# EAGLE board Rear_Board_v74 (EAGLE 9.7.0), part 2 of 2
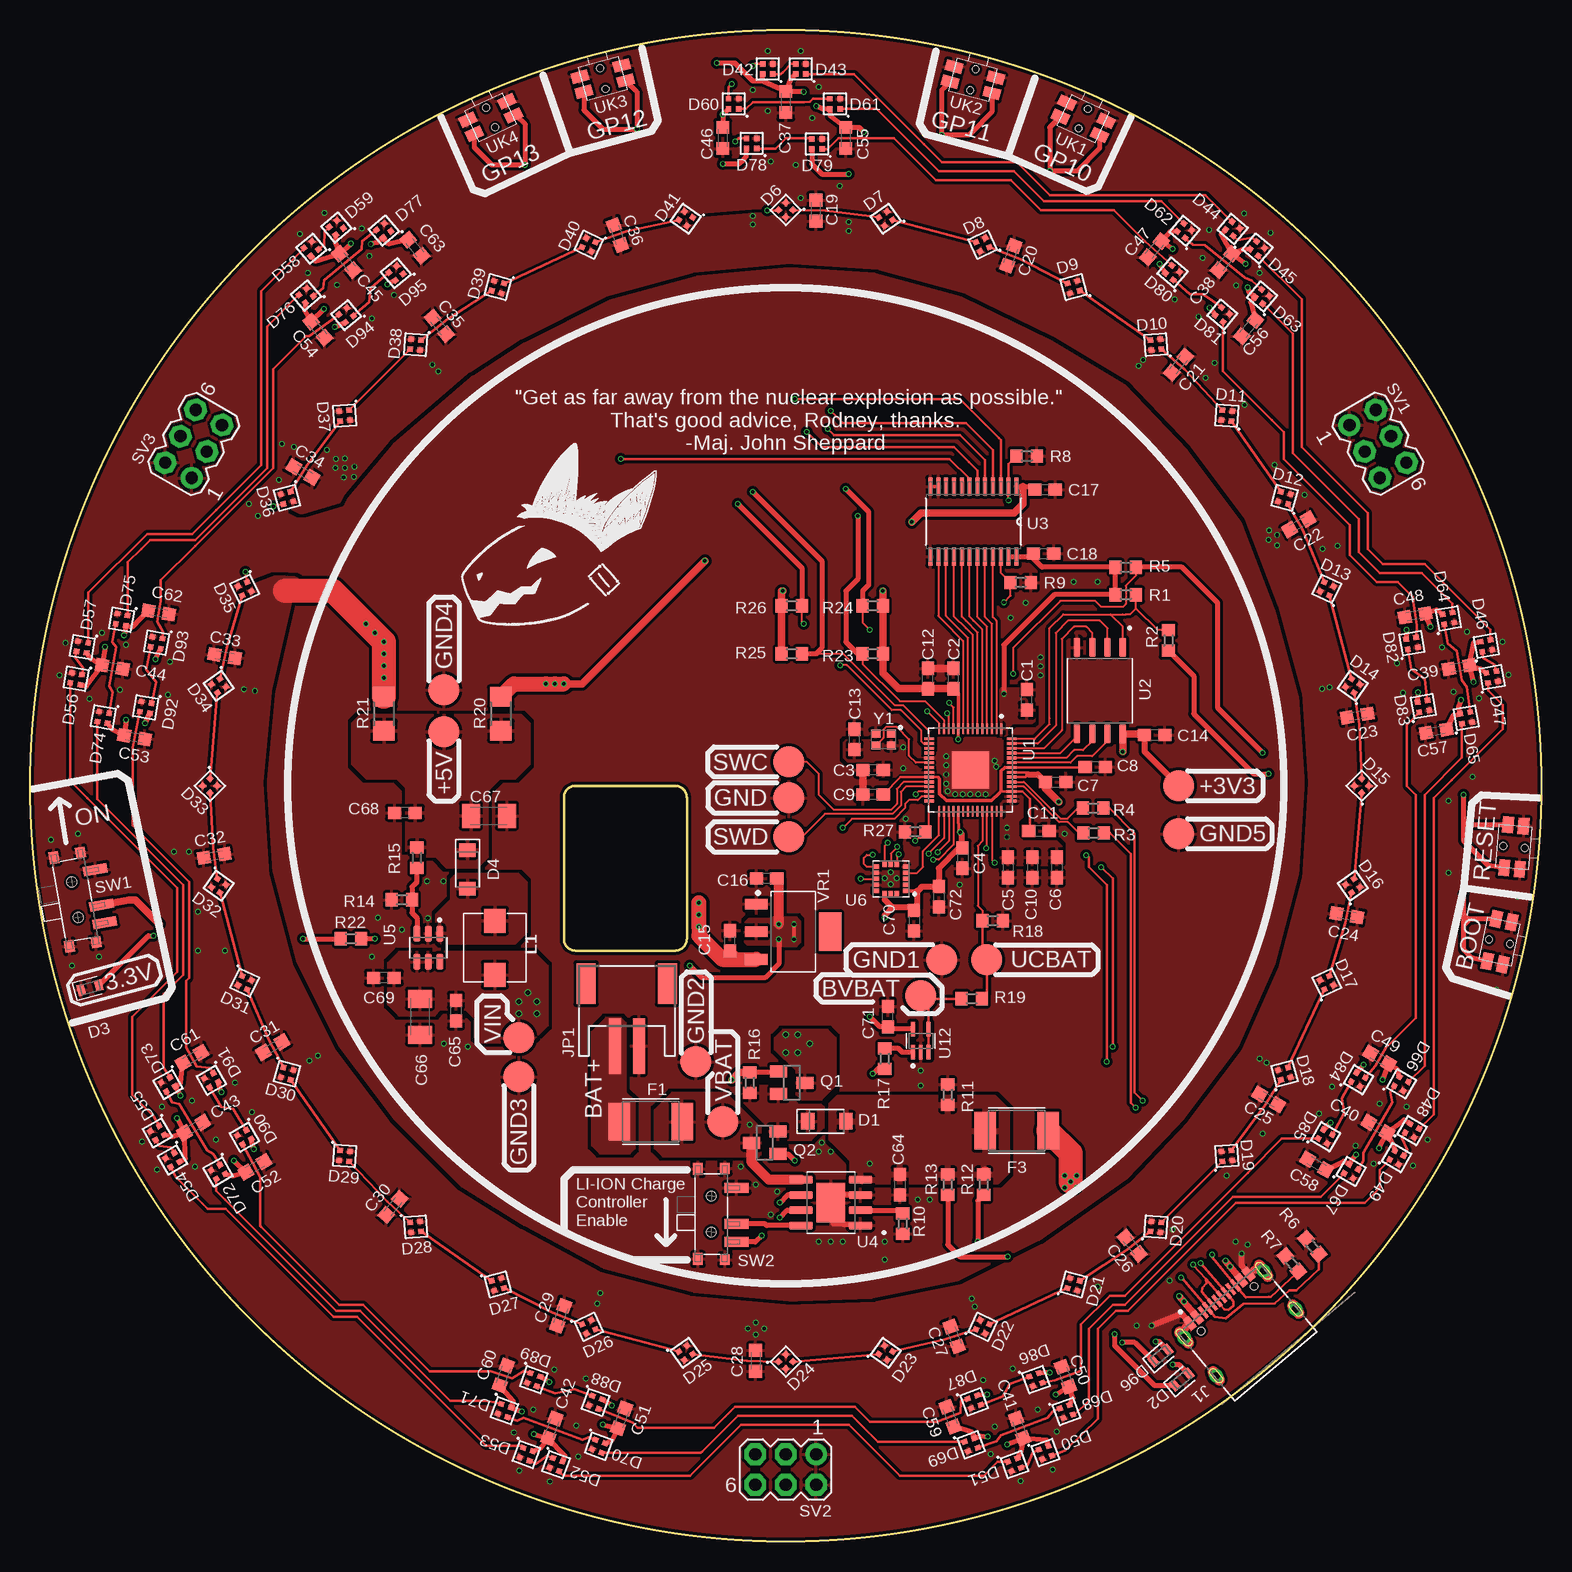
[diagram p0: board, top side]
## Tracks (layer width: path | path; a pad name or v marks a point on that pad's centre or on a via)
+1V1
  Top 0.203: C8.1 87.9,64.52 U1.50 81.26,64.52 | C9.1 72.56,63.72 U1.23 75.69,63.72 75.72,63.68 | C11.1 83.34,59.33 83.34,61.91 82.73,62.52 U1.45 80.91,62.52 80.8,62.41
  Top 0.305: 75.72,63.68 75.83,63.58 75.83,62.31 76.38,61.76 80.15,61.76 80.8,62.41 80.95,62.56 80.95,64.22 81.26,64.52
+3.3V  (via drill 0.3)
  Top 0.203: U1.49 83.04,64.12 83.22,63.94 83,63.72 U1.48 | 77.64,57.92 C4.1 | 77.39,70.69 C2.1 | U1.44 U1.43 | v77.38,66.86 77.39,66.88
  Top 0.254: U1.33 77.39,59.87 77.39,59.12 v77.55,59.12 | 77.39,66.88 U1.10
  Top 0.305: U1.10 77.39,70.69 | C4.1 77.45,57.82 | U6.1 73.95,54.25 74,54.25 | 74.25,54.5 74.35,54.6 | 73.45,52.85 C70.1 73.95,52.85 | U6.14 71.25,53.5 | v63.69,51.47 v63.69,50.22
  Top 0.406: v81.19,70.67 81.19,74.73 85.38,78.92 R1.2 R5.2 84.36,81.21 83.64,81.93 C18.1 83.38,82.1 U3.24 U3.23 | v62.42,50.2 62.42,48.17 61.25,47 56,47 v55,48 | v28.75,50.25 R22.2
  Top 0.508: v77.55,59.12 77.64,59.03 77.64,57.92 | 83.22,63.94 84.02,63.94 C7.1 | 77.45,57.82 75.75,56.12 C72.1 74.35,54.6 | 74.25,54.5 74,54.25 | 71.25,53.5 71.9,52.85 | 73.45,52.85 71.9,52.85 | 73.95,54.25 73.95,52.85 | 71.9,52.85 71.25,52.2 v71.25,52 | C14.1 92.91,65.84 +3V3.TP
  Top 0.61: C2.1 C12.1 72.41,71.09 71.25,72.25 71.1,72.4 R23.2 v71.1,79.25 R24.2 | C14.1 92.83,67.32 U2.8 v91.09,65.84 | C7.1 84.65,62.76 v85.76,61.65 | R25.2 62.65,76 | 62.65,76 62.65,79.25 v62.75,79.25 | 62.65,76 R26.2
  Top 0.813: C16.1 62.42,55.11 v62.42,51.47
  Bottom 0.305: 77.5,66.99 v77.38,66.86
  Bottom 0.406: v55,48 31,48 v28.75,50.25
  Bottom 0.61: 89.95,61.4 91.09,62.54 v91.09,65.84 | v81.19,70.67 81.19,67.24 80.55,66.61 | v81.44,59.49 81.07,59.12 v77.55,59.12 | v71.1,79.25 v62.75,79.25
  other vias: 72.8,66.22 81.44,58.73 72.8,64.45
  pour Top (isolate 0.152): 81.26,61.89 81.25,61.86 80.88,61.49 80.88,56.98 81.47,56.39 86.02,56.39 86.02,57.93 85.6,58.35 82.84,58.35 82.82,58.36 82.39,58.78 82.38,58.81 82.38,60.02 82.39,60.04 82.76,60.41 82.76,62 82.42,62.34 81.34,62.34 81.26,62.26
  pour Top (rank 2): 83.58,69.98 83.32,69.98 83.04,70.27 83.04,70.77 82.69,71.13 80.95,71.13 80.73,70.9 80.73,67.26 80.83,67.16 81.42,67.16 81.52,67.26 81.52,67.77 81.93,68.18 83.58,68.18 83.8,68.4 83.8,69.76
  pour Bottom (isolate 0.254): 89.29,53.44 88.04,52.19 88.02,52.17 62.28,52.17 61.58,51.47 61.58,50.03 62.29,49.32 89.95,49.32 92.03,51.4 92.03,59.46 89.41,62.08 85.23,62.08 85.21,62.1 83.91,63.39 83.9,63.41 83.9,65.81 82.3,67.42 73.22,67.42 72.12,66.32 72.12,64.48 72.45,64.14 73.66,64.14 75.68,66.16 75.71,66.17 80.44,66.17 80.47,66.16 81.76,64.87 81.77,64.84 81.77,61.38 81.76,61.35 81.13,60.73 81.13,58.51 81.34,58.3 88.44,58.3 88.47,58.29 89.24,57.52 89.25,57.51 89.25,57.5 89.25,57.5 89.26,57.49 89.26,57.48 89.26,57.48 89.26,57.48 89.26,57.46 89.33,53.52 89.33,53.52 89.33,53.5 89.33,53.49 89.33,53.49 89.33,53.48 89.32,53.47 89.32,53.46 89.31,53.46 89.31,53.46 89.3,53.45 89.29,53.44
  pour Top: 70.34,65 70.35,64.97 70.35,63.84 70.43,63.76 73.02,63.76 73.14,63.88 73.17,63.89 75.31,63.89 75.39,63.97 75.39,64.29 75.31,64.37 74.18,64.37 74.16,64.38 73.12,65.42 73.11,65.45 73.11,66.45 72.77,66.78 68.01,66.78 67.8,66.57 67.8,65.37 68.14,65.03 70.29,65.03 70.31,65.02
  pour Top: 61.8,49.76 61.83,49.75 61.94,49.64 63.91,49.64 64.25,49.97 64.25,51.69 63.91,52.02 61.94,52.02 61.83,51.91 61.8,51.9 59.91,51.9 59.58,51.56 59.58,49.97 59.78,49.76
+5V  (via drill 0.3)
  Top 0.406: U3.1 82.75,87.94 83.51,87.94 C17.1 | U12.5 71.69,42.71 C71.1 70.85,42.9 v70,43.75
  Top 0.61: 82.75,87.94 82.75,86.5 82,85.75 74.25,85.75 v73.5,85 | v56.25,81.75 46,71.5 v44.5,71.5
  Top 0.813: C15.1 59.04,48.53 VR1.3
  Top 1.27: R20.2 40.33,71.5 v43,71.5 v43.75,71.5 v44.5,71.5 | VR1.3 57.72,48.53 57.5,48.75 55.75,50.5 v55.75,51.25 v55.75,52.25 v55.75,53.25
  Bottom 0.406: v70,43.75 66.5,47.25 60,47.25 57.25,47.25 55.75,48.75 v55.75,51.25
  Bottom 0.61: v73.5,85 70.25,81.75 v56.25,81.75
  Bottom 1.27: v55.75,51.25 v55.75,53.25 55.75,64.75 49,71.5 v44.5,71.5 v43,71.5
AC_CK
  Top 0.152: U6.4 73.95,55.75 74.45,56.25 74.45,57.55 75.79,58.89 U1.29
AC_CS  (via drill 0.3)
  Top 0.152: U6.8 71.25,58 v71.5,58.25 | v73.8,58.4 74.55,59.15 R27.2 74.96,59.46 U1.28
  Bottom 0.152: v71.5,58.25 71.65,58.4 v73.8,58.4
AC_INT0  (via drill 0.3)
  Top 0.152: U1.27 74.32,62.12 74.05,61.85 74,61.8 73.25,61.8 72.95,61.5 72.95,61.25 72.95,61.15 72.05,60.25 68.5,60.25 v67.75,59.5 | v69.25,55.25 U6.11
  Bottom 0.152: v67.75,59.5 67.75,56.75 v69.25,55.25
AC_INT1  (via drill 0.3)
  Top 0.152: U1.32 76.99,58.09 75.75,56.85 v75.3,56.85 | U6.9 69.75,56.25 69.5,56.5 69.5,57 69.75,57.25 v70.25,57.25
  Bottom 0.152: v75.3,56.85 70.65,56.85 v70.25,57.25
AC_SDI  (via drill 0.3)
  Top 0.152: U1.30 76.19,58.64 v74.9,57.35 | v72.4,57.3 72.25,57.15 U6.6
  Bottom 0.152: v74.9,57.35 72.45,57.35 v72.4,57.3
AC_SDO  (via drill 0.3)
  Top 0.152: U1.31 76.59,58.39 v75.65,57.45 | v72.3,57.9 71.75,57.35 U6.7
  Bottom 0.152: v75.65,57.45 75.5,57.45 75.05,57.9 v72.3,57.9
AMP7
  Top 0.152: 74.5,45.25 BVBAT.TP
  Top 0.2: R19.2 74.5,45.25 BVBAT.TP 74.9,44.85 U12.4 U12.3
CH0  (via drill 0.3)
  Top 0.2: D6.DI 62.35,110.95 v61.45,110.95 | v63.75,95.25 77.5,95.25 80.75,92 80.93,91.82 U3.3
  Bottom 0.2: v61.45,110.95 61.2,110.7 61.2,109.9 62.75,108.35 62.75,96.25 v63.75,95.25
CH1  (via drill 0.3)
  Top 0.2: D42.DI 60.42,123.17 v60.25,123 | v66.75,94.25 67.75,93.25 76.75,93.25 78,93.25 80.27,90.98 U3.4
  Bottom 0.2: v60.25,123 60.25,122 66.75,115.5 v66.75,94.25
CH2  (via drill 0.3)
  Top 0.2: D60.DI 58.23,121.22 v58.5,121.5 | v66.5,92.75 67,92.25 77.5,92.25 79.61,90.14 U3.5
  Bottom 0.2: v58.5,121.5 59,121.5 59.5,121 59.5,120 65.75,113.75 65.75,93.5 v66.5,92.75
CH3  (via drill 0.3)
  Top 0.2: D78.DI 59.08,116.97 v58.8,116.7 | v64.75,92.5 66,91.25 75.75,91.25 77,91.25 78.25,90 78.97,89.28 U3.6
  Bottom 0.2: v58.8,116.7 58.8,114.95 61.75,112 64.75,109 v64.75,92.5
CH4  (via drill 0.3)
  Top 0.2: U3.7 78.31,88.59 76.65,90.25 v49.25,90.25
  Bottom 0.2: v49.25,90.25 30.5,90.25 27.75,93 22.5,98.25 14.25,98.25 11.5,95.5 11.5,93.25 11.5,93.17 SV3.4
DIR  (via drill 0.3)
  Top 0.152: U1.11 76.99,69.53 v76.61,69.91 | v81.57,86.8 U3.2
  Top 0.203: U3.2 81.57,89.81 R8.2
  Bottom 0.152: v76.61,69.91 76.61,80.32 81.57,85.27 v81.57,86.8
GND  (via drill 0.3)
  Top 0.152: U1.19 74.56,65.32
  Top 0.305: U3.11 U3.12
  Top 0.508: U4.3 66.85,28.9 | U4.1 67,26.5 | J1.A1_B12 96,19 v93.5,18 | J1.B1_A12 101,23 v101,24
  Top 0.61: C9.2 C3.2 69.17,64.06 | 68.7,67.75 C13.2 | C2.2 76.23,72.79 C12.2 | J1.A1_B12 96.27,17.83 J1.S1 | J1.B1_A12 102.01,22.64 J1.S2
  other vias: 80.42,65.08 80.55,64.57 76.36,65.46 76.36,64.7 76.36,63.94 76.36,63.18 76.49,62.54 77.12,62.29 77.76,62.29 78.39,62.29 79.03,62.29 79.66,62.29 84.23,72.19 84.23,72.95 84.23,73.72 71.74,55.79 71.24,55.29 72.24,55.29 71.74,54.79 33.15,51.95 33.1,55.05 34.45,55.05 86.25,59 77.5,54.75 73,60.25 95,21.75 92.25,18 100.5,25 101.5,24.75 95.25,26 89,21.25 99.75,30.5 102.75,34 61.5,119.25 60.25,121 65.75,121.25 61.5,124.25 64.25,124.25 101.2,110.7 103.4,109.1 102.5,105.75 98.3,109.35 97.75,107 100.55,104.7 122.75,75 123.25,72.25 119.8,75.85 120.8,70.3 118.65,70.85 117.7,74.55 116.5,33.5 115.3,31.35 114.75,36.25 112,31.5 110.5,33 112.5,36.5 85.25,6 82.6,5.05 85.6,9.15 80.1,7.3 80.4,9.6 84,11 43.35,5 40.8,5.9 45.7,7.1 40.35,9.1 41.95,11 45.55,9.65 10.6,31 9.35,33.35 13.75,31.25 11,36.25 13.5,36.75 15.5,33.5 2.95,74.9 2.45,72.2 4.95,70.25 6,75.75 8,74.75 7.5,71 22.5,109 24.55,110.75 27.65,109.45 23.15,105.75 25.6,104.75 28.3,107.15 28.5,101.95 30.35,103.9 61.75,115.05 63.85,114.75 95.4,103.55 97.4,102.1 113.95,73.2 114.45,70.75 108.55,37.9 107.45,35.65 79.45,13.45 81.9,14.4 46.35,13.6 43.7,14.35 18.5,35.8 17.1,38.25 11.5,70.6 11.65,73.35 65.21,118.68 87,80 89,80 83,78.25 81.75,77 74,28.5 75,28.5 71.25,25 71.25,23.5 65.75,25 66.75,25 67.75,25 66,33.25 65.75,32.5 66.75,32.5 59.25,31.25 60.5,29.75 62.3,29.15 61.75,27.25 74.25,39.25 74.25,38 36.5,41.25 34.5,41.5 31,51 28.5,48.75 29,52 3.5,48 5.75,48.75 1.75,58.5 4,59 12,57.5 13.25,57.5 14,52.5 14,49.25 16.25,49.25 18.25,86.5 19,85.5 20.75,88.5 21,91.5 22,91.25 67.5,113 64.25,112 98,97 98.75,98.25 101.25,94.75 103.75,89.75 107.75,82.75 109,83 106.25,87.25 122.25,46 124,53.75 124.75,62 118.25,61.75 120.25,63.75 118.25,55.75
  pour Top (isolate 0.152, rank 2, no thermals): 75.53,64.87 75.55,64.84 75.55,61.81 75.76,61.6 80.26,61.6 80.98,62.32 80.98,66.91 75.67,66.91 75.67,65.83 75.66,65.8 75.39,65.52 75.36,65.51 74.53,65.51 74.53,65.16 75.23,65.16 75.26,65.15
  pour Top (isolate 0.254, rank 6): -3.58,-2.62 128.37,-2.62 128.37,127.87 -2.76,127.87 -3.58,4.8
  pour Bottom (isolate 0.2, rank 6): -1.17,-1.17 126.05,-1.17 126.05,17.36 126.05,17.36 126.05,17.38 126.05,17.39 126.05,17.39 127.02,126.42 -1.17,126.42
LCH0
  Top 0.152: U1.2 80.59,76.72 80.55,76.77 80.27,77.04 U3.21
LCH1
  Top 0.152: U1.3 80.19,76.49 79.91,76.77 79.61,77.07 U3.20
LCH2
  Top 0.152: U1.4 79.79,76.25 79.28,76.77 78.97,77.07 U3.19
LCH3
  Top 0.152: U1.5 79.39,76.02 78.64,76.77 78.31,77.09 U3.18
LCH4
  Top 0.152: U1.6 78.99,75.78 78.01,76.77 77.68,77.09 U3.17
LCH5
  Top 0.152: U1.7 78.59,75.55 78.01,76.13 77.02,77.12 U3.16
LCH6
  Top 0.152: U1.8 78.19,75.31 78.01,75.5 76.36,77.15 U3.15
LCH7
  Top 0.152: U1.9 77.79,75.08 76.11,76.77 75.72,77.15 U3.14
N$1  (via drill 0.3)
  Top 0.406: D3.A 9.87,50.5 v10.3,50.5 | v22.75,50.25 R22.1
  Bottom 0.406: v10.3,50.5 22,50.5 22.25,50.25 v22.75,50.25
N$2
  Top 0.2: D7.DI 66.3,110.95 D6.DO
N$3  (via drill 0.3)
  Top 0.406: BOOT.3 120.2,48.65 119.5,49.35 119.5,51.25 119.5,51.4 | 119.5,51.4 119.5,52.25 | 119.5,52.25 119.5,52.5 v119.5,54 | BOOT.4 120.25,51.9 | 120.25,51.9 120,51.9 119.5,51.4 | 120.25,51.9 119.85,51.9 119.5,52.25 | R2.1 97,72.16 97,69 102,64 v103.25,64
  Bottom 0.406: v103.25,64 114.75,64 117.25,61.5 119.5,59.25 v119.5,54
N$4
  Top 0.2: D8.DI D7.DO
N$5  (via drill 0.3)
  Top 0.152: R5.1 92.19,80.54 91.34,79.69 91.34,78.16 91.09,77.91 89.31,77.91 88.81,78.42 85.88,78.42 82.2,74.73 81.95,74.48 v81.95,72.32 | v73.82,62.29 74.05,62.52 U1.26
  Top 0.406: RESET.3 121.55,56.35 119.5,58.4 119.5,59.25 119.5,59.3 | 119.5,59.3 119.5,60.2 | 119.5,60.2 119.5,60.25 v119.5,62.25 | RESET.4 120,59.75 119.95,59.75 | 119.95,59.75 119.5,60.2 | 119.95,59.75 | 119.95,59.75 119.5,59.3 | v102.75,65.75 99,69.5 99,78.25 96.04,81.21 R5.1
  Bottom 0.152: v81.95,72.32 81.95,71.81 81.82,71.69 81.44,71.3 80.68,71.3 80.42,71.05 80.42,69.27 79.03,67.88 74.2,67.88 73.18,67.88 71.94,66.64 71.94,63.15 72.8,62.29 v73.82,62.29
  Bottom 0.406: v119.5,62.25 116,65.75 v102.75,65.75
N$6
  Top 0.2: D9.DI 82.55,106.9 D8.DO
N$7
  Top 0.2: D10.DI D9.DO
N$8
  Top 0.2: D11.DI 96.25,97.7 D10.DO
N$9
  Top 0.2: D11.DO D12.DI
N$10
  Top 0.2: D13.DI 106.1,84.3 D12.DO
N$11
  Top 0.2: D14.DI D13.DO
N$12
  Top 0.2: D15.DI 110.8,68.1 D14.DO
N$13
  Top 0.2: D16.DI D15.DO
N$14
  Top 0.2: D17.DI 109.65,51.55 D16.DO
N$15
  Top 0.2: D18.DI D17.DO
N$16
  Top 0.2: D19.DI 102.95,36.35 D18.DO
N$17  (via drill 0.3)
  Top 0.406: v86.75,30 v87.25,29.5 | v86.75,30 v87.25,30.5 | v86.75,30 v86.25,30.5 | v86.75,30 v86.25,29.5
  Top 0.55: J1.B4_A9 v100.05,22.9 v99.65,23.4 | J1.A4_B9 v96.2,20 v95.8,20.45
  Top 2: v86.75,30 86.75,32.36 F3.1
  Bottom 1.27: v99.65,23.4 v95.8,20.45
  Bottom 2: v96.2,20 93.25,20 86.75,26.5 v86.75,30
N$18
  Top 0.2: D20.DI D19.DO
N$19
  Top 0.2: D21.DI 91.45,24.3 D20.DO
N$20  (via drill 0.3)
  Top 0.152: R23.1 69.4,73.15 72.5,70.05 74.6,70.05 76.19,68.46 U1.13
  Top 0.406: UK1.4 85,117.88 v85,114.25 87.25,114.25 89.16,116.16 UK1.3 | v69,85.5 69,80.25 68,79.25 68,75 68.25,74.75 68.75,74.25 69,74 R23.1
  Bottom 0.406: v85,114.25 69,98.25 v69,85.5
N$21
  Top 0.2: D22.DI D21.DO
N$22
  Top 0.2: D23.DI 76.25,16.85 D22.DO
N$23
  Top 0.2: D24.DI D23.DO
N$24
  Top 0.2: D25.DI 59.75,15.05 D24.DO
N$25
  Top 0.2: D26.DI D25.DO
N$26
  Top 0.2: D27.DI 43.6,19.05 D26.DO
N$27
  Top 0.2: D28.DI D27.DO
N$28
  Top 0.2: D29.DI 29.75,28.35 D28.DO
N$29
  Top 0.2: D29.DO D30.DI
N$30
  Top 0.2: D31.DI 19.9,41.85 D30.DO
N$31
  Top 0.2: D32.DI D31.DO
N$32
  Top 0.2: D33.DI 15.25,57.8 D32.DO
N$33
  Top 0.2: D33.DO D34.DI
N$34
  Top 0.2: D35.DI 16.4,74.5 D34.DO
N$35  (via drill 0.3)
  Top 0.2: D36.DI v20.3,86.3 | v17.95,80.85 D35.DO
  Bottom 0.2: v20.3,86.3 v17.95,80.85
N$36
  Top 0.2: D37.DI 23.1,89.75 D36.DO
N$37
  Top 0.2: D37.DO D38.DI
N$38
  Top 0.2: D42.DO 62.58,122.33 62.75,122.5 63.42,123.17 D43.DI
N$39
  Top 0.2: D39.DI 34.8,101.9 D38.DO
N$40
  Top 0.2: D40.DI D39.DO
N$41
  Top 0.2: D41.DI 49.75,109.25 D40.DO
N$42
  Top 0.2: D43.DO 68.67,122.33 74.5,116.5 76,115 80.25,115 82.25,115 85,112.25 97.97,112.25 D44.DI
N$43
  Top 0.2: D44.DO 100.7,108.5 101.85,108.7 D45.DI
N$44
  Top 0.2: D45.DO 106,103.55 106,91.25 111.5,85.75 111.5,82.75 112.75,81.5 116.25,81.5 121.75,76 D46.DI
N$45
  Top 0.2: D46.DO 121.15,73.65 122.05,73.1 D47.DI
N$46
  Top 0.2: D47.DO 121.55,70.95 122.75,69.75 122.75,67.75 118.5,63.5 117,62 117,38.75 117,35.6 D48.DI
N$47
  Top 0.2: D48.DO 114.35,33.65 114.8,32.65 D49.DI
N$48
  Top 0.2: D49.DO 112.5,30.99 112.5,29.5 111.25,28.25 101.25,28.25 100.5,28.25 91.5,19.25 90.5,19.25 89,17.75 89,11 89,10.25 86.31,7.61 D50.DI
N$49
  Top 0.2: D50.DO 83.6,7.45 83.15,6.35 D51.DI
N$50
  Top 0.2: D51.DO 80.66,6.66 79.5,5.5 72.5,5.5 68.25,9.75 59.25,9.75 55,5.5 44.47,5.5 D52.DI
N$51
  Top 0.2: D52.DO 43.1,7.15 42.2,6.5 D53.DI
N$52
  Top 0.2: D53.DO 40.92,8 39.25,8 38,8 27.25,18.75 25.3,18.75 16.3,27.75 14.8,27.75 12.15,30.4 D54.DI
N$53
  Top 0.2: D54.DO 11.75,32.85 10.75,33 D55.DI
N$54
  Top 0.2: D55.DO 10.3,35.45 8.5,37.25 8.5,43.75 12.25,47.5 12.25,54.5 4.75,62 3.35,63.4 D56.DI
N$55
  Top 0.2: D56.DO 4.45,72.8 3.75,73.7 D57.DI
N$56
  Top 0.2: D57.DO 4.85,79.1 9.75,84 13.5,84 15.5,86 19.25,89.75 19.25,104 19.25,104.23 D58.DI
N$57
  Top 0.2: D60.DO 59.67,119.42 60.25,120 64.51,120 65.01,120 65.28,120.28 D61.DI
N$58
  Top 0.2: D58.DO 24.5,108.05 24.55,109.2 D59.DI
N$60
  Top 0.2: D61.DO 70.58,119.42 75.75,114.25 82,114.25 84.5,111.75 94.3,111.75 D62.DI
N$61
  Top 0.2: D62.DO 96.95,108.1 97.95,108.05 101.25,105.35 101.85,105.1 D63.DI
N$62
  Top 0.2: D63.DO 105.25,100.7 105.25,90.75 110.75,85.25 110.75,82.5 112.5,80.75 114,80.75 116,80.75 118.25,78.5 118.58,78.17 D64.DI
N$63
  Top 0.2: D64.DO 118.2,74.85 118.95,74.25 119.35,71.8 119.75,71.25 D65.DI
N$64
  Top 0.2: D65.DO 119.37,65.37 116.25,62.25 116.25,39.66 D66.DI
N$65
  Top 0.2: D66.DO 113.4,37.45 113.55,36.6 111.15,32.4 111.15,31.75 D67.DI
N$66
  Top 0.2: D67.DO 107.61,28.75 100.25,28.75 91.25,19.75 90.25,19.75 88.25,17.75 88.25,12 88.25,11.74 87.09,10.58 D68.DI
N$67
  Top 0.2: D68.DO 85.25,10.85 84.8,10.3 80.95,8.85 80.55,8.35 D69.DI
N$68
  Top 0.2: D69.DO 70.68,8.32 68.5,10.5 59,10.5 56,7.5 55.89,7.39 D70.DI
N$69
  Top 0.2: D70.DO 46.55,8.7 46.05,8.5 41.15,10.3 40.6,10.05 D71.DI
N$70
  Top 0.2: D71.DO 39.19,11.46 38.85,11.6 37.75,11.75 35,11.75 27.5,19.25 25.5,19.25 16.25,28.5 15.53,29.22 D72.DI
N$71
  Top 0.2: D72.DO 15.25,32.3 14.75,32.6 12.45,36.5 11.85,36.6 D73.DI
N$72
  Top 0.2: D73.DO 11.15,39.5 11.15,45.65 12.75,47.25 12.75,54.75 5.62,61.88 D74.DI
N$73
  Top 0.2: D74.DO 6.7,69.55 6.9,70.8 6.6,71.3 7.2,74.55 6.85,75 D75.DI
N$74
  Top 0.2: D75.DO 8.13,81.63 9.25,82.75 10,83.5 13,83.5 13.75,83.5 19.75,89.5 19.75,101.25 D76.DI
N$75
  Top 0.2: D76.DO 24.45,104.5 24.5,105.15 27.65,107.75 27.7,108.4 D77.DI
N$77
  Top 0.2: D78.DO 62.12,116.12 63,117 65.1,117 D79.DI
N$78
  Top 0.2: D79.DO 66.47,116.08 67.4,117 72,117 75.5,113.5 81.75,113.5 84.25,111 89.75,111 90.35,111 92.95,108.4 D80.DI
N$79
  Top 0.2: D80.DO 96.68,104 97.79,104 D81.DI
N$80
  Top 0.2: D81.DO 99.45,97.55 103.5,93.5 104.5,92.5 104.5,90.25 110,84.75 110,82.25 112.25,80 114,80 115.25,78.75 115.3,78.35 115.6,76.35 D82.DI
N$81
  Top 0.2: D82.DO 115.15,72.75 116.25,71.9 D83.DI
N$82
  Top 0.2: D83.DO 114.75,68.08 114.75,63.25 114.75,63 115.5,62.25 115.5,43.65 113,41.15 112.15,39.65 D84.DI
N$83
  Top 0.2: D84.DO 109.35,36.95 109.55,35.75 D85.DI
N$84
  Top 0.2: D85.DO 104.34,33.59 101.5,30.75 91.25,20.5 90,20.5 87.6,18.1 87.6,14.25 85.45,13.45 D86.DI
N$85
  Top 0.2: D86.DO 81.7,13.15 81.1,12.1 D87.DI
N$86
  Top 0.2: D87.DO 77.6,11.7 77.55,10.75 75.6,10 70,10 68.75,11.25 58.75,11.25 57,9.5 50.65,9.5 50.25,9.9 D88.DI
N$87
  Top 0.2: D88.DO 45.4,12.7 43.75,12.35 D89.DI
N$88
  Top 0.2: D89.DO 41.2,14.25 40.2,13.6 38.45,14.2 33.3,14.2 27.75,19.75 25.75,19.75 19.25,26.25 19.2,26.3 19.2,30.4 D90.DI
N$89
  Top 0.2: D90.DO 16.95,36.05 15.95,36.25 D91.DI
N$90
  Top 0.2: D91.DO 15,39.5 13.9,39.6 13,41.2 13,46.75 13.25,47 13.25,55 8.55,59.7 8.55,66.2 D92.DI
N$91
  Top 0.2: D92.DO 10.5,71.65 9.7,72.7 D93.DI
N$92
  Top 0.2: D93.DO 11.1,75.8 10.6,76.7 10.9,78.4 10.9,80.15 13.75,83 20.25,89.5 20.25,97.75 23,100.5 23.25,100.5 D94.DI
N$93
  Top 0.2: D94.DO 28.25,103.3 28.4,104.5 D95.DI
N$95
  Top 1.016: 49.25,35.11 F1.2
  pour Top (isolate 0.2, rank 4, no thermals): 50.4,32.79 50.4,36.71 49.67,37.44 49.65,37.48 49.65,43.21 49.21,43.65 48.04,43.65 46.85,42.46 46.85,33.04 47.54,32.35 49.96,32.35
N$96
  Top 0.406: U4.2 72.48,27.62 R10.2
N$97  (via drill 0.3)
  Top 0.406: R13.1 76.5,24.75 77.5,23.75 v81.5,23.75 | v93.85,16.65 94.16,16.65 D96.A
  Bottom 0.406: v81.5,23.75 89.35,15.9 93.1,15.9 v93.85,16.65
N$98
  pour Top (isolate 0.254, rank 5): 61.63,34.36 61.65,34.32 61.65,33.5 65.11,33.5 66.15,34.54 66.15,36.21 65.71,36.65 63.33,36.65 63.29,36.67 61.96,38 60.14,38 59.35,37.21 59.35,36.64
N$99  (via drill 0.3)
  Top 0.406: R12.1 79,28.4 v79,25 | v95.25,14.75 95.81,14.75 D2.A
  Bottom 0.406: v79,25 89.25,14.75 v95.25,14.75
N$100  (via drill 0.3)
  Top 0.406: D96.C 92.09,16.6 v91.05,16.6 | v62.5,27 63.12,27.62 U4.7
  Bottom 0.406: v91.05,16.6 89.9,16.6 80.5,26 63,26 62.5,26.5 v62.5,27
N$101  (via drill 0.3)
  Top 0.406: U4.6 63.13,28.88 v62.5,28.25 | v90.4,17.3 90.4,16.35 90.5,16.25 93.73,13.02 D2.C
  Bottom 0.406: v62.5,28.25 63.4,27.35 80.35,27.35 v90.4,17.3
N$102  (via drill 0.4)
  Bottom 3: v41.5,45.75 41.5,43.8 43.8,41.5 v65,41.5
  other vias: 63,40.75 63,42.25 64,42.25 64,40.75 40.75,45 42.25,45 40.75,44 42.25,44
  pour Top (isolate 0.2, rank 4): 63.88,39.26 63.9,39.22 63.9,37.29 64.34,36.85 65.96,36.85 67.15,38.04 67.15,41.96 66.46,42.65 62.79,42.65 62.1,41.96 62.1,41.04
  pour Top (isolate 0.2, rank 4): 37.08,43.56 37.1,43.52 37.1,42.04 37.54,41.6 41.71,41.6 43.15,43.04 43.15,47.96 41.96,49.15 30.79,49.15 29.85,48.21 29.85,44.79 30.79,43.85 33.71,43.85 34.19,44.33 34.23,44.35 36.27,44.35 36.31,44.33
N$103
  pour Top (isolate 0.2, rank 4): 35.15,53.52 35.13,53.47 33.9,52.24 33.9,50.31 34.31,49.9 40.44,49.9 41.35,50.81 41.35,54.94 40.69,55.6 35.56,55.6 35.15,55.19
N$104
  pour Top (isolate 0.2, rank 4): 33.78,57.15 33.83,57.13 34.71,56.25 37.29,56.25 38.1,57.06 38.1,62.53 38.12,62.58 39.17,63.63 39.22,63.65 40.44,63.65 41.6,64.81 41.6,68.19 40.94,68.85 27.56,68.85 26.9,68.19 26.9,64.81 28.06,63.65 30.53,63.65 30.58,63.63 31.38,62.83 31.4,62.78 31.4,57.56 31.81,57.15
N$105
  Top 0.406: R15.1 32.25,55 32,54.75 31.85,54.6 R14.2 31.85,52.4 32.25,52 U5.3
N$106  (via drill 0.3)
  Top 0.406: Q1.1 62.3,39.1 R16.1
  Top 0.61: SW1.COM 8.25,53.5 8.75,53.5 v10.75,51.5 | v58.5,38.5 59.1,39.1 R16.1
  Bottom 0.61: v10.75,51.5 23,51.5 33.75,40.75 36,38.5 v58.5,38.5
N$107
  Top 0.406: U12.1 72.71,40.79 72.5,41 72.4,41.1 R17.2
N$108  (via drill 0.3)
  Top 0.152: R24.1 69.4,76.6 v70,76 | v74.8,69.2 75.79,68.21 U1.14
  Top 0.406: UK2.4 76,121 v76,117.25 78.25,117.25 78.5,117.5 80.17,119.17 UK2.3 | v68,87.75 69.9,85.85 69.9,79.75 69.4,79.25 R24.1
  Bottom 0.152: v70,76 74.8,71.2 v74.8,69.2
  Bottom 0.406: v76,117.25 76,113.75 68,105.75 v68,87.75
N$109  (via drill 0.3)
  Top 0.152: U1.15 74.96,67.54 72.8,69.7 72.1,69.7 67.8,74 65.5,74
  Top 0.406: UK3.3 50.6,120.84 v50.6,117.75 47.75,117.75 46.18,119.32 UK3.4 | v60.25,87.5 66,81.75 66,74.5 65.5,74 R25.1
  Bottom 0.406: v50.6,117.75 50.6,115.5 60.25,105.85 v60.25,87.5
N$110  (via drill 0.3)
  Top 0.152: U1.16 74.48,66.52 74.3,66.7 74.3,67.6 72.6,69.3 71.85,69.3 68.1,73.05 v67.55,73.05 | v64.5,76.5 64.35,76.65 R26.1
  Top 0.406: UK4.3 40.56,118.87 41.25,118.18 v41.25,114.75 38.5,114.75 37.04,116.21 UK4.4 | v59,86.5 64.35,81.15 R26.1
  Bottom 0.152: v67.55,73.05 64.5,76.1 v64.5,76.5
  Bottom 0.406: v41.25,114.75 59,97 v59,86.5
N$111
  Top 0.406: U4.8 61.41,26.34 61.25,26.5 58.92,26.5 SW2.COM
QSPI_SCLK
  Top 0.152: U2.6 88.55,66.73 87.79,65.97 87.03,65.97 86.38,65.32 U1.52
QSPI_SD0
  Top 0.152: U1.53 85.88,65.72 86.52,66.35 87.28,67.11 U2.5
QSPI_SD1
  Top 0.152: U2.2 89.82,76.13 89.19,76.77 86.52,76.77 85.5,75.75 85.5,68 84.02,66.52 U1.55
QSPI_SD2
  Top 0.152: U2.3 88.55,75.75 88.04,76.26 87.03,76.26 86.01,75.24 86.01,67.62 84.51,66.12 U1.54
QSPI_SD3
  Top 0.152: U2.7 89.82,66.73 88.55,65.46 87.28,65.46 86.74,64.92 U1.51
QSPI_SS
  Top 0.152: R2.2 94.01,75.96 92.19,77.78 | 92.19,77.78 R1.1 | 90.08,77.27 86.14,77.27 85,76.13 85,68.64 85,68.13 83.78,66.92 U1.56 | 90.08,77.27 91.09,77.27 91.34,77.27 91.69,77.27 92.19,77.78 | U2.1 91.09,76.26 90.08,77.27
SWCLK
  Top 0.152: U1.24 72.82,63.32 72.25,62.75 72.25,61.5 71.75,61 67,61 65.75,62.25 65.75,64 64.75,65 SWC.TP
SWD
  Top 0.152: U1.25 73.02,62.92 72.6,62.5 72.6,61.35 71.9,60.65 66.25,60.65 64.35,58.75 SWD.TP
UCBAT
  Top 0.152: U1.38 79.39,58.39 79,58 79,53 79.25,52.75 79.4,52.6 R18.2
  Top 0.2: R18.2 79.4,48.85 UCBAT.TP 79.75,45.65 R19.1
USB1_N
  Top 0.152: U1.46 82.84,62.92 85.78,59.98 86.51,59.98 87.42,59.06 R3.1
USB1_P
  Top 0.152: U1.47 82.83,63.32 85.9,60.26 86.48,60.26 87.37,61.14 R4.1
USB2_N  (via drill 0.3)
  Top 0.152: J1.A7
  Top 0.2: J1.B7 97.69,20.79 97.72,21.13 98.05,21.5 98.04,21.88 98.04,21.9 | R3.2 90.02,59.06 91.75,57.33 91.75,36.57 v92.16,36.16 | v96.95,23.1 96.95,23.06 98.04,21.9 | J1.A7 98.04,21.9
  Bottom 0.2: v92.16,36.16 96.95,31.37 v96.95,23.1
USB2_P  (via drill 0.3)
  Top 0.152: 99.72,20.73 J1.B6 99.73,20.72
  Top 0.2: 99.73,20.72 100.33,20.01 100.3,19.65 99.91,19.32 99.56,19.35 J1.A6 | R4.2 89.97,61.14 92.08,59.04 92.08,37.42 v92.75,36.75 | v97.58,23.2 97.58,23.18 99.47,21.03 99.72,20.73
  Bottom 0.2: v92.75,36.75 97.58,31.92 v97.58,23.2
USBCC1  (via drill 0.3)
  Top 0.152: v79.72,57.79 79.79,57.87 U1.39
  Top 0.2: R6.2 107.45,22.7 105.56,20.95 104.97,20.95 103.75,19.85 101.15,19.8 99.7,18.6 98.75,18.75 J1.A5 96.03,21.99 v95.95,22 | v89.75,40 89.75,54.75 88.25,56.25 88.25,57.01 v88.05,57.22
  Bottom 0.152: v88.05,57.22 80.16,57.22 79.72,57.66 v79.72,57.79
  Bottom 0.2: v95.95,22 95.95,30.05 89.75,36.25 v89.75,40
USBCC2  (via drill 0.3)
  Top 0.152: U1.40 80.19,56.81 v80.42,56.58 | 103.25,20.4 103.42,20.4
  Top 0.2: R7.2 105.48,22.25 103.42,20.4 | 103.25,20.4 101.34,20.35 J1.B5 98.55,23.68 v98.55,23.9 | v90.25,41.25 90.25,55.26 v89.31,56.2
  Bottom 0.152: v89.31,56.2 89.06,56.45 80.55,56.45 v80.42,56.58
  Bottom 0.2: v98.55,23.9 98.55,32.95 v90.25,41.25
VBAT  (via drill 0.3)
  Top 0.406: R17.1 70.65,39.4 v70.25,39
  Top 0.813: U4.5 61.59,30.16 60.25,31.5 60.15,31.6 Q2.3
  Bottom 0.406: v70.25,39 70.25,38.25 66.75,34.75 61.75,34.75 v60,34.75
  pour Top (isolate 0.2, rank 4): 52.79,32.1 60.71,32.1 60.9,32.29 60.9,34.46 57.96,37.4 53.54,37.4 52.1,35.96 52.1,32.79
VLED  (via drill 0.3)
  Top 0.406: D59.VDD 25.45,108.3 C45.1 | D58.VDD 23.75,106.75 C45.1 | C63.1 29.9,108.15 D77.VDD 29,108.3 v28.4,108.15 | D76.VDD 22.9,102.6 C54.1 v24.5,102.75 | D43.VDD 63.4,121.9 C37.1 | 61.05,121.75 D42.VDD | C37.1 61.05,121.75 | D60.VDD v57.75,118.95 C46.1 | D45.VDD 101.1,107.7 C38.1 | D44.VDD 99.3,108.95 C38.1 | D62.VDD 95,109.15 C47.1 v95.25,107.75 | C56.1 101.75,103.3 D63.VDD 101.65,104.1 v101.5,104.55 | D46.VDD 120.35,74.9 C39.1 | D47.VDD 120.9,72.75 C39.1 | D64.VDD 117.25,77.65 C48.1 v116.75,76.25 | C57.1 118.7,68.9 D65.VDD 119.1,69.55 v119.3,70.15 | D48.VDD 114.55,35.15 C40.1 | D49.VDD 113.6,33.15 C40.1 | C58.1 109.5,31.7 D67.VDD 110.25,31.9 v110.55,32.25 | D66.VDD 114,39.35 C49.1 v112.75,38.5 | D68.VDD 86.95,11.95 C50.1 v85.5,12.25 | D50.VDD 84.75,8.45 C41.1 | D51.VDD 82.6,7.55 C41.1 | C59.1 78.55,9.1 D69.VDD 79.2,8.8 v79.85,8.75 | D52.VDD 44.6,7.15 C42.1 | D53.VDD 42.5,7.75 C42.1 | D70.VDD 48.5,8.45 C51.1 v47.75,9.75 | C60.1 40.3,11.7 D71.VDD 40.6,11 v41,10.85 | D72.VDD 16.9,30.5 C52.1 v17,31.75 | D54.VDD 12.95,31.9 C43.1 | D55.VDD 11.85,33.75 C43.1 | C61.1 12.55,38.2 D73.VDD v12.55,37.15 | D74.VDD 6.85,67.7 C53.1 v8,68.5 | D56.VDD 4.7,71.3 C44.1 | D57.VDD 5.1,73.55 C44.1 | C62.1 8.55,76.25 D75.VDD v7.85,75.55 | C45.1 v26.75,108.2 | v65.55,119.65 66.1,119.4 D61.VDD 66.7,118.85 C55.1 69.12,117.88 v69.5,117.5 | v64.5,120.85 C37.1 | v101.35,106.5 C38.1 | v120.35,71.65 C39.1 | v112.45,32.8 C40.1 | v81.45,8.1 C41.1 | v42,8.95 C42.1 | v12.25,35.3 C43.1 | v6.25,74.6 C44.1 | v25.4,101.25 D94.VDD | v94.15,106.5 D80.VDD | v114.75,76 D82.VDD | v111.15,39.75 D84.VDD | v85,14.1 D86.VDD | v48.5,11.35 D88.VDD | v18.65,32.7 D90.VDD | v9.6,68.2 D92.VDD
  Top 0.406: v29.8,104.8 D95.VDD | v98.35,102.85 D81.VDD | v115.7,70.8 D83.VDD | v108.4,34.9 D85.VDD | v79.8,12.25 D87.VDD | v43.3,13.3 D89.VDD | v15.95,37.45 D91.VDD | v10.45,73.55 D93.VDD | D79.VDD 65.17,114.83 66,114 v68.25,114 | 61.05,121.75 60.25,121.75 59.75,122.25 58.75,123.25 v57.25,123.25 | v57.75,114.85 59.1,114.85 59.5,115.25 59.73,115.47 D78.VDD
  Top 2: R21.2 v29.5,72 v29.5,73 v29.5,74 v29.5,75 v28.75,75.75 v28,76.5 25.25,79.25 21.25,79.25
  Bottom 0.406: v65.55,119.65 v64.5,120.85 | v25.4,101.25 v24.5,102.75 24.5,106 25.64,107.11 v26.75,108.2 v28.4,108.15 29.8,106.55 29.4,105.3 v29.8,104.8 | v94.15,106.5 v95.25,107.75 98.5,108.75 100.03,107.54 v101.35,106.5 v101.5,104.55 100.3,103.05 98.8,103.25 v98.35,102.85 | v114.75,76 v116.75,76.25 119.75,74.75 120.04,73.26 120.09,73.02 v120.35,71.65 v119.3,70.15 117.25,69.85 116.35,70.8 v115.7,70.8 | v111.15,39.75 v112.75,38.5 114,35.5 113.27,34.24 v112.45,32.8 v110.55,32.25 109.1,33.1 108.85,34.65 v108.4,34.9 | v85,14.1 v85.5,12.25 84.5,9.25 82.94,8.66 v81.45,8.1 v79.85,8.75 79.25,10.35 80,11.7 v79.8,12.25 | v48.5,11.35 v47.75,9.75 44.75,8 43.39,8.47 43.36,8.48 43.26,8.52 v42,8.95 v41,10.85 41.55,12.3 43.05,12.7 v43.3,13.3 | v18.65,32.7 v17,31.75 13.75,32.5 13.06,33.78 v12.25,35.3 v12.55,37.15 13.8,37.85 15.3,37.1 v15.95,37.45 | v9.6,68.2 v8,68.5 5.75,71.25 5.97,72.75 v6.25,74.6 v7.85,75.55 9.2,75.3 9.8,73.7 v10.45,73.55 | v69.5,117.5 69.5,115.25 v68.25,114 v68.25,110 v68.25,109.25 | v57.25,123.25 56.25,122.25 56.25,120 57.3,118.95 v57.75,118.95 57.45,118.65 57.45,115 57.6,114.85 v57.75,114.85 60.25,112.35 v60.25,110.5 v60.25,109.8
  Bottom 0.813: 100.03,107.54 v92.4,98 | 120.04,73.26 v107.7,71.1 | 113.27,34.24 v102.5,40.25 | 82.94,8.66 v78.5,20.25 | v47.55,20.7 47.55,20.47 43.39,8.47 | 13.06,33.78 v24,40.5 | 5.97,72.75 v18.75,70.9 | 25.64,107.11 v34.05,97.55
  Bottom 2: v29.5,72 v29.5,75 v28,76.5 26.75,77.75 26.75,89 v26.25,89.5 v25.5,90.25 v24.75,91 22.69,93.06 SV3.5 SV3.6 | SV2.6 SV2.5 v60.5,18.25 | SV1.6 SV1.5 v103.25,83.5
  other vias: 27,88.75 33.55,98.1 92.8,98.5 108.35,71.2 103.1,39.9 78.75,19.6 47.3,19.85 23.3,40.1 17.85,71.05 60.5,17.25 103.95,83.9 103.3,84.3 103.95,83.05 59.85,17.75 61.2,17.75 25.45,89.5 26.25,90.3 27.05,89.6 26.15,88.7
  pour Top (isolate 0.254, rank 4): 60.51,15.18 63,15.13 71.28,15.88 77.02,17.22 79.4,18.02 86.94,21.51 91.83,24.75 93.82,26.34 99.7,32.23 103.15,36.97 104.49,39.06 108.03,46.65 109.68,52.23 110.12,54.67 110.92,63 110.47,68.84 110.18,71.33 107.98,79.41 105.69,84.74 104.44,86.93 99.65,93.77 95.66,98.01 93.77,99.65 86.93,104.44 81.7,107.08 79.36,107.98 71.28,110.12 65.54,110.82 63,110.87 54.67,110.17 48.99,108.78 46.6,107.98 39.06,104.44 34.22,101.25 32.23,99.7 26.35,93.82 22.76,89.13 21.51,86.94 21.26,86.38 22.62,85.72 25.79,86.71 26.13,87.3 26.14,87.31 26.15,87.32 26.15,87.33 26.16,87.34 29.89,91.82 29.9,91.83 29.91,91.84 29.92,91.85 29.93,91.86 35.15,96.33 35.15,96.33 35.17,96.35 35.19,96.36 35.19,96.36 36.66,97.59 36.66,97.59 36.67,97.6 36.69,97.61 36.7,97.62 40.92,100.35 40.92,100.35 40.94,100.36 40.95,100.37 40.96,100.37 47.93,103.86 47.94,103.87 47.95,103.87 47.97,103.87 47.98,103.88 55.2,105.87 55.21,105.87 55.23,105.88 55.24,105.88 55.25,105.88 62.97,106.62 62.98,106.63 63,106.63 63.01,106.63 63.02,106.63 70.75,106.13 70.76,106.13 70.77,106.13 70.78,106.13 70.8,106.12 78.02,104.13 78.03,104.13 78.04,104.12 78.06,104.12 78.07,104.11 85.29,100.62 85.29,100.62 85.31,100.61 85.33,100.6 85.33,100.6 91.56,96.86 91.57,96.86 91.58,96.85 91.59,96.85 91.6,96.83 96.83,91.35 96.84,91.35 96.85,91.33 96.86,91.32 96.86,91.31 101.35,85.33 101.36,85.32 101.36,85.31 101.37,85.31 101.37,85.29 104.11,78.06 104.12,78.06 104.12,78.04 104.13,78.02 104.13,78.02 106.12,70.8 106.13,70.78 106.13,70.77 106.13,70.76 106.13,70.75 106.63,63.28 106.63,63.27 106.63,63.25 106.63,63.23 106.63,63.23 106.13,55.25 106.13,55.24 106.13,55.23 106.13,55.22 106.12,55.21 104.13,47.73 104.13,47.72 104.12,47.71 104.12,47.69 104.11,47.68 101.12,40.96 101.12,40.94 101.11,40.94 101.11,40.93 101.1,40.92 96.61,34.94 96.61,34.93 96.6,34.92 96.59,34.9 96.58,34.9 91.85,29.92 91.84,29.91 91.83,29.9 91.82,29.89 91.81,29.89 84.34,24.65 84.33,24.65 84.32,24.64 84.3,24.63 84.29,24.63 77.81,21.39 77.8,21.38 77.79,21.38 77.78,21.38 77.77,21.37 70.54,19.88 70.53,19.87 70.52,19.87 70.5,19.87 70.49,19.87 63.02,19.62 63.01,19.62 63,19.62 62.98,19.62 62.97,19.63 55,20.37 54.99,20.37 54.98,20.37 54.96,20.38 54.95,20.38 47.48,22.37 47.46,22.38 47.45,22.38 47.44,22.38 47.43,22.39 40.96,25.88 40.95,25.88 40.94,25.89 40.92,25.9 40.92,25.9 35.69,29.14 35.68,29.14 35.67,29.15 35.66,29.16 35.65,29.17 29.92,34.9 29.91,34.9 29.9,34.92 29.89,34.93 29.89,34.94 25.41,40.91 25.4,40.92 25.39,40.93 25.38,40.94 25.38,40.96 21.89,47.93 21.88,47.94 21.88,47.95 21.88,47.97 21.87,47.98 19.88,55.46 19.87,55.47 19.87,55.48 19.87,55.49 19.87,55.5 19.37,63.23 19.37,63.24 19.37,63.25 19.37,63.27 19.37,63.28 20.12,71.25 20.12,71.25 20.12,71.27 20.13,71.29 20.13,71.29 21.87,78.76 21.87,78.77 21.88,78.78 21.88,78.8 21.89,78.81 22.34,80.19 22.04,80.34 20.51,80.42 18.09,79.53 18.02,79.36 16.37,73.77 15.88,71.33 15.13,63 15.48,57.16 15.87,54.68 18.02,46.64 20.36,41.26 21.51,39.12 26.3,32.23 30.34,27.99 32.23,26.35 39.07,21.56 44.3,18.92 46.64,18.02 54.67,15.83
VUSB  (via drill 0.3)
  Top 0.406: Q2.1 63.2,32.3 v63.75,31.75 | v61,25.5 60.48,24.98 SW2.L1
  Top 1.016: 79.64,30.73 R12.2
  Bottom 0.406: v70,31.5 69.75,31.75 v63.75,31.75 61,29 v61,25.5
  pour Top (isolate 0.2, rank 5): 68.47,31.89 68.5,31.8 68.5,30.86 69.36,30 80.64,30 81.5,30.86 81.5,35.89 80.39,37 67.36,37 66.75,36.39 66.75,33.61
XIN
  Top 0.152: U1.20 73.85,64.92 73.29,65.49 73.29,66.86 72.26,67.89 71.34,67.89 71.13,67.67 71.13,66.99 Y1.3
~OE  (via drill 0.3)
  Top 0.152: U3.22 80.93,80.74 R9.2 81.73,78.84 v81.19,78.29 | U1.12 76.59,68.91 v76.46,69.04
  Bottom 0.152: v76.46,69.04 76.46,69.25 76.61,69.4 76.99,69.4 77.76,70.16 77.76,74.35 77.76,74.86 v81.19,78.29

## Text on the board
tPlace: GP12 | GP11 | GP13 | GP10 | "Get as far away from the nuclear explosion as possible." / That's good advice, Rodney, thanks. / -Maj. John Sheppard | ON | 3.3V | BAT+ | LI-ION Charge / Controller / Enable
bPlace: UK3 | UK2 | GP12 | GP11 | UK4 | GP13 | UK1 | GP10 | Github.com/ / CycleStartProto/ / StargateBadge | Rev 1.0 / July 2024 | Made by: / @CycleStartProto / / With Assist From: / @ColbyTheAussie | To Reload Core Firmware: / Plug in USB, / Hold Boot and Press Reset. | ON | RESET | Main Power | BOOT | OFF | BAT+ | BAT– | 3.7V / Lithium-Ion / Use Protected Cell!! / / Input Range: / 2.0V-5.0V | USB C / 5V 3A / MAX | Charging (Red) | Full (Blue)